# Altium PCB 28Pins_ProjectV1I1_PCB.PcbDoc (continued)
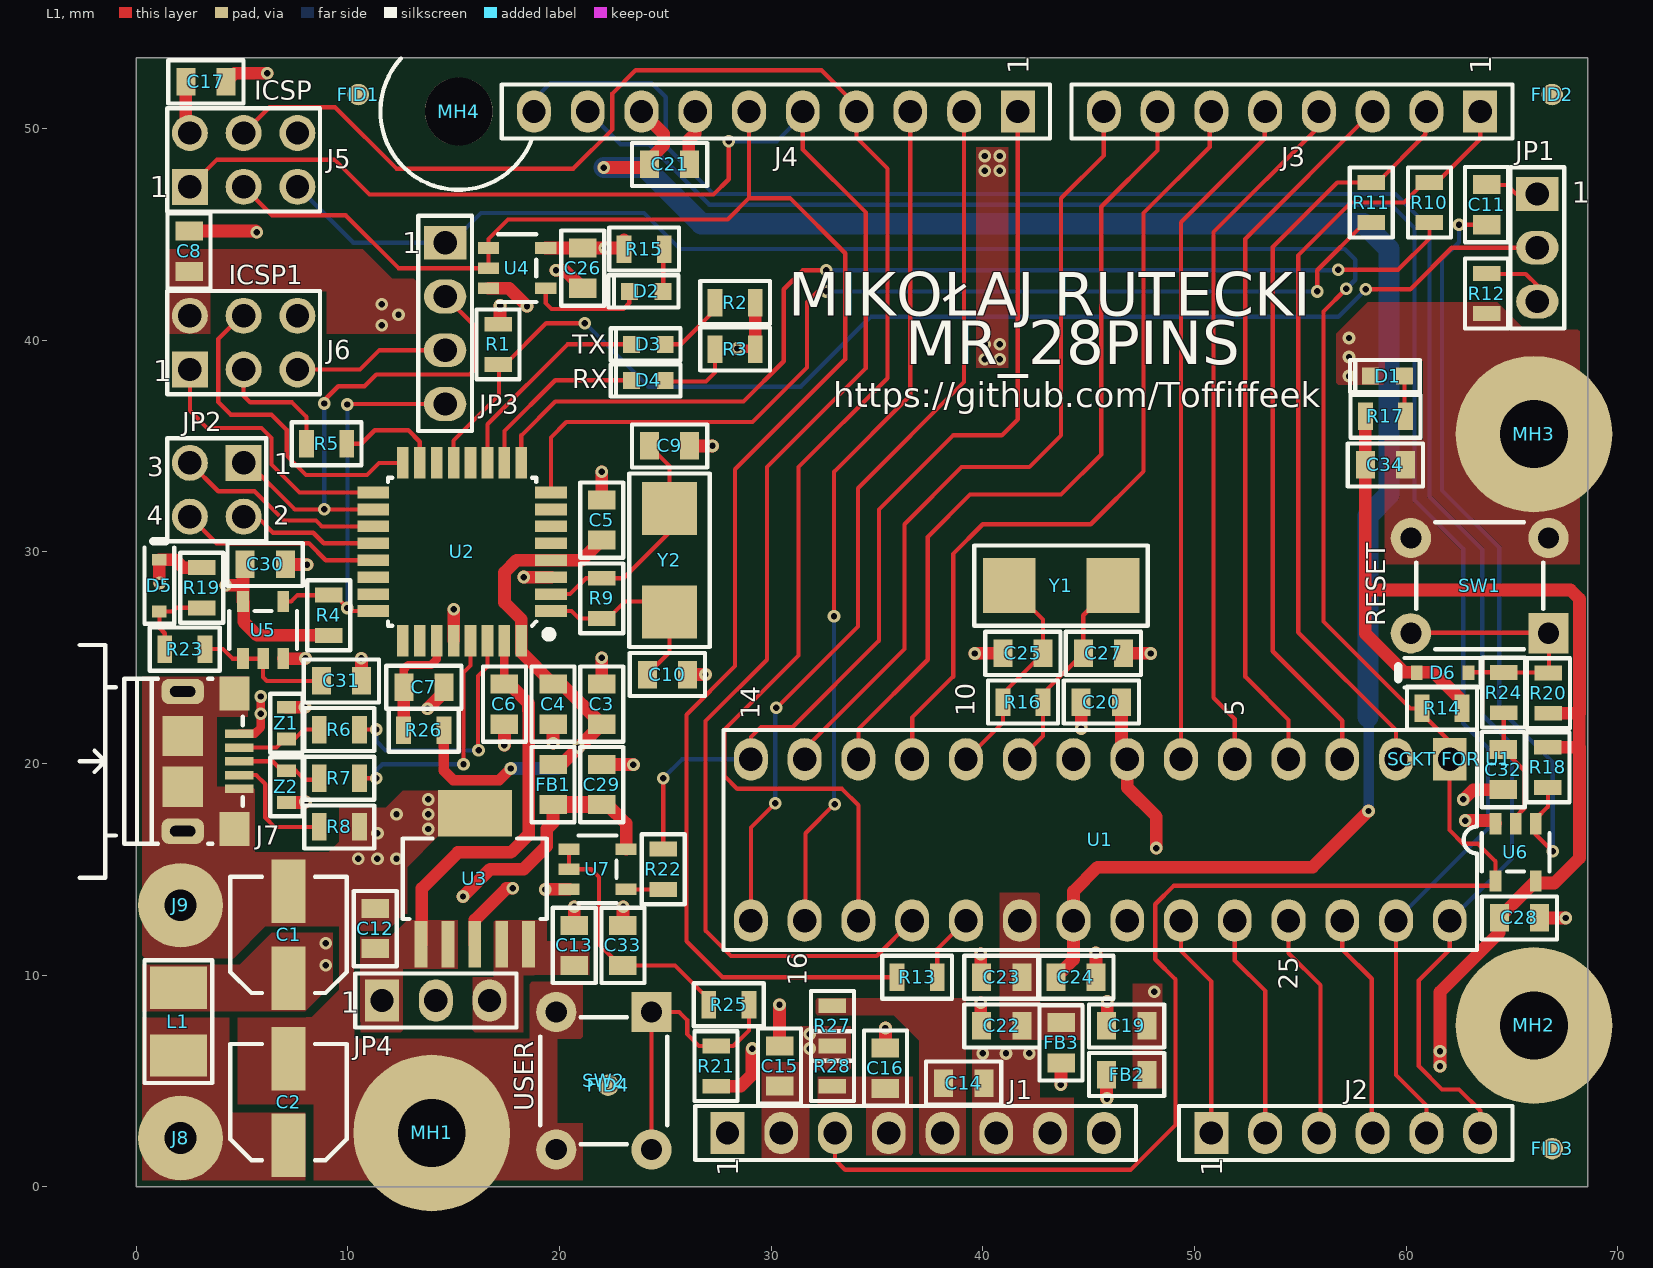
[diagram p0: L1 view]
## Nets (pads, with @x,y where several pads share a name; then routed paths per layer and width w, separated by ;. In a path a pad name is that pad's centre, name@x,y a point inside that pad or via, vN(x,y) a via of type N, cw(c..) or ccw(c..) an arc to the next point about the centre after c; other vN are vias at no path point)
16U2_16MHZ_XTAL1: C10.1 R9.1 U2.1 Y2.1 | length 9.7
  L1 w0.2: U2.1 20.575,27.2 20.925,26.85 R9.1 22.3,26.85 23.1,27.65 24.7,27.65 Y2.1 25.2,25.25 C10.1
16U2_16MHZ_XTAL2: C9.1 R9.2 U2.2 Y2.2 | length 11.3
  L1 w0.2: U2.2 20.5,28 21.25,28.75 R9.2 23.025,28.75 25.2,30.925 Y2.2 25.2,34.05 C9.1
16U2_BUF_RESETN: C31.2 R23.2 U5.1 U5.2 | length 6.6
  L1 w0.2: R23.2 4.1,25.4 4.55,24.95 U5.1 U5.2 6,24.075 6.175,23.9 C31.2
16U2_HDR_RESETN: J6.5 JP3.3 | length 7.4
  L1 w0.2: J6.5 10.583,38.608 11.5,39.525 14.595,39.525 JP3.3
16U2_MISO: J6.1 U2.17 | length 12.9
  L1 w0.2: J6.1 2.54,36.66 3.35,35.85 5.925,35.85 6.4,35.375 6.4,34.125 7.725,32.8 U2.17
16U2_MOSI: J6.4 U2.16 | length 15.7
  L1 w0.2: J6.4 4.973,41.148 3.88,40.055 3.88,37.07 4.476,36.474 6.401,36.474 7.112,35.763 7.112,34.543 8.025,33.63 10.905,33.63 11.475,34.2 U2.16
16U2_PB4: JP2.1 JP3.2 U2.18 | length 23.9
  L1 w0.2: JP2.1 5.3,34.2 7.5,32 U2.18 ; v1(8.89,37.008) 8.89,37.16 9.55,37.821 10.795,37.821 11.344,38.37 15.764,38.37 15.977,38.583 15.977,40.683 JP3.2
  L2 w0.2: v1(8.89,32.004) v1(8.89,37.008)
16U2_PB5: JP2.3 U2.19 | length 9.9
  L1 w0.2: JP2.3 3.88,32.86 5.596,32.86 6.981,31.475 8.5,31.475 8.775,31.2 U2.19
16U2_PB6: JP2.2 U2.20 | length 6.6
  L1 w0.2: JP2.2 5.703,31.66 6.463,30.9 8.368,30.9 8.868,30.4 U2.20
16U2_PB7: JP2.4 U2.21 | length 9.5
  L1 w0.2: JP2.4 3.8,30.4 8.161,30.4 8.961,29.6 U2.21
16U2_RESETN: JP3.4 R4.1 U2.24 U5.4 | length 19.1
  L1 w0.2: U5.4@6.95,27.825 U5.4 7.325,27.65 7.625,27.95 R4.1 9.375,27.95 10.125,27.2 U2.24 ; v1@9.982,36.98 JP3.4
  L2 w0.2: v1(9.982,27.343) v1(9.982,36.957)
16U2_RX_LED: D4.1 U2.10 | length 8.5
  L1 w0.2: U2.10 17.4,35.7 19.8,38.1 D4.1
16U2_RXD: R11.1 U2.8 | length 48
  L1 w0.2: U2.8 19.6,35.4 20.325,36.125 29.125,36.125 31.7,38.7 31.7,41.8 32.2,42.3 v1(32.6,42.3) ; v1(55.8,42.3) 55.8,43.3 58.05,45.55 R11.1
  L2 w0.2: v1(32.6,42.3) v1(55.8,42.3)
16U2_SCLK: J6.3 R5.2 | length 5.9
  L1 w0.2: J6.3 5.08,37.37 5.391,37.059 7.366,37.059 8.05,36.375 R5.2
16U2_SCLK_R: R5.1 U2.15 | length 4.9
  L1 w0.2: R5.1 10.64,35.1 11.278,35.738 12.862,35.738 13.4,35.2 U2.15
16U2_TX_LED: D3.1 U2.11 | length 10.2
  L1 w0.2: U2.11 16.6,36.025 20.375,39.8 D3.1
16U2_TXD: R10.1 U2.9 | length 50.8
  L1 w0.2: U2.9 18.2,35.5 19.8,37.1 28.7,37.1 30.6,39 30.6,42.4 31.5,43.3 v1(32.6,43.3) ; v1(56.8,43.325) 59.625,43.325 61.1,44.8 R10.1
  L2 w0.2: v1(32.6,43.3) 56.775,43.3 v1(56.8,43.325)
16U2PROG_328P_RESETN: JP1.2 R1.1 U2.13 | length 59.4
  L1 w0.2: U2.13 15,35.25 17.15,37.4 17.15,38.8 R1.1 17.425,38.85 19.375,40.8 v1(21.2,40.8) ; v1(58.1,42.4) 60.2,42.4 60.3,42.5 62.16,44.36 JP1.2
  L2 w0.2: v1(21.2,40.8) 24.2,37.8 31.4,37.8 34.7,41.1 56.8,41.1 v1(58.1,42.4)
328P_16MHZ_XTAL1: C27.1 R16.1 U1.9 Y1.1 | length 10
  L1 w0.2: U1.9 42.85,21.298 R16.1 42.85,23.3 C27.1 44.75,27 Y1.1
328P_16MHZ_XTAL2: C25.1 R16.2 U1.10 Y1.2 | length 10.4
  L1 w0.2: U1.10 40.95,21.938 R16.2 40.95,23.3 C25.1 42.85,26.8 Y1.2
328P_AUTORESETN: C11.1 R18.1 U6.1 | length 37.1
  L1 w0.2: v1(62.5,45.45) C11.1 ; R18.1 66.7,17.958 66.126,17.384 U6.1 66.126,16.649 v1(66.925,15.85) v1@66.95,15.875 ; R18.1@66.95,18.781 R18.1@67.031,18.862
  L2 w0.2: v1(62.5,45.45) 62.5,44.625 61.7,43.825 61.7,32.9 64.4,30.2 64.4,22.595 66.925,20.07 v1(66.925,15.85)
328P_BUF_RESETN: C32.2 R24.2 U6.2 | length 5.9
  L1 w0.2: R24.2 64.618,20.686 C32.2 65.608,19.644 65.608,17.907 65.176,17.475 U6.2
328P_RESETN: J1.3 J5.5 JP3.1 R14.1 U1.1 U6.4 | length 132.5
  L1 w0.2: J1.3 33.02,1.28 33.5,0.8 46.975,0.8 49.1,2.925 49.1,9.8 48.15,10.75 48.15,13.35 49.026,14.226 64.226,14.226 U6.4 64.226,15.374 63.4,16.2 62.7,16.2 62.05,16.85 62.05,20.178 U1.1 62.065,21.035 60.75,22.35 60.75,22.6 60.2,22.6 56.1,26.7 56.1,41.35 v1(57.175,42.425)
  L2 w0.2: J5.5 10.264,44.6 JP3.1 14.9,44.6 16.3,46 24,46 25.7,44.3 57.1,44.3 57.6,43.8 57.6,42.85 v1(57.175,42.425)
+3V3: C13.2 C16.2 J1.4 JP4.3 R28.2 U3.4 U3.5
+3V3_16U2_UCAP: C7.2 R26.1 U2.27 | length 5.5
  L1 w0.4: C7.2 12.65,24.45 12.85,24.65 13.934,24.65 14.2,24.916 U2.27
  L1 w0.6: R26.1 C7.2@12.639,23.589
+5V: C2.1 C6.2 C12.2 C14.2 J1.5 J8.1 JP4.1 L1.2 R27.1 U2.31 U3.1 U3.2 | length 18.5
  L1 w0.4: C6.2 U2.31
  L1 w0.6: U3.1@13.5,11.454 13.5,14.1 15.2,15.8 17.705,15.8 18.55,16.645 18.55,22.507 18.542,22.515 18.542,22.835 17.627,23.75 C6.2
+5V/3V3: C8.2 C15.2 C17.2 C26.2 C28.2 C29.2 C30.2 C34.2 D5.1 D6.1 FB1.1 FB2.1 FB3.1 J1.2 J5.2 J6.2 JP4.2 R1.2 R2.2 R3.2 R4.2 R14.2 R15.2 R17.2 R18.2 R19.2 R20.2 R21.2 R27.2 R28.1 U4.5 U5.5 U6.5 U7.5 | length 94.3
  L1 w0.4: v1(28.4,39.6) 29.225,39.6 R3.2
  L1 w0.6: v1(1.118,28.524) 1.1,28.542 D5.1 1.851,29.619 2.221,29.25 R19.2 ; C17.2 2.35,49.974 J5.2 ; v1(4.242,28.423) 5.05,28.423 ; U5.5 5.05,28.423 ; U5.5@5.08,27.62 5.08,26.695 5.725,26.05 R4.2 ; C30.2 5.05,29.3 5.05,28.423 ; v1(15.443,13.716) 16.727,15 18.3,15 19.4,16.1 19.4,16.9 19.7,17.2 FB1.1 ; R1.2 17.196,40.846 v1(17.196,41.631) ; U4.5 C26.2 22.147,44.35 v1(22.149,44.348) 23.002,44.348 R15.2 R15.2@23.05,44.725 ; C29.2 22.26,18.05 23.15,17.16 U7.5 ; R21.2 28.55,4.75 29.083,5.283 29.083,6.502 v1(29.108,6.528) ; R3.2 R2.2 ; v1(43.688,4.826) 43.7,4.838 FB3.1 ; FB2.1 45.85,4.188 v1(45.872,4.166) ; R17.2 C34.2 58.075,28.194 ; v1(61.6,5.7) 61.6,9.2 64.404,12.004 C28.2 64.404,12.727 U6.5 66.224,14.351 67.005,14.351 68.189,15.535 68.189,20.762 R18.2 ; R14.2@62.65,22.6 62.65,22.948 61.29,24.308 59.892,24.308 58.075,26.125 58.075,28.194 ; R20.2 68.189,22.367 68.189,27.772 67.767,28.194 58.075,28.194 ; 68.174,20.752 68.174,22.377
  L1 w0.8: FB1.1 C29.2
  other v1: 61.6,6.4 31.826,6.528 31.826,7.214 11.6,40.7 12.4,41.2 11.6,41.7
+5V/3V3_16U2: C3.2 C4.2 C5.2 FB1.2 R26.2 U2.4 U2.32 | length 26.7
  L1 w0.5: R26.2 14.539,19.665 14.99,19.214 17.157,19.214 v1(17.704,19.761)
  L1 w0.6: FB1.2 20.1,19.95 C3.2 20.1,23.75 C4.2 18.2,25.25 U2.32 18.2,26.8 17.4,27.6 17.4,29.022 17.982,29.604 19.596,29.604 U2.4 21.05,29.6 C5.2
  L2 w0.6: v1(17.704,19.761) 19.914,19.761 v1(20.904,20.752)
+5V/3V3_328P_AVCC: C22.1 C23.2 FB3.2 U1.20
+5V/3V3_328P_VCC: C19.1 C20.2 FB2.2 U1.7 | length 7.6
  L1 w0.6: C20.2 46.55,20.468 U1.7 46.825,18.859 48.2,17.484 v1(48.2,16)
  L2 w0.4: v1(48.108,9.22) v1@48.133,9.246
+5V_USB: C1.1 J7.1 L1.1 | length 2.6
  L1 w0.4: J7.1 5.6,21.4 5.9,21.7 5.893,21.707 v1(5.893,22.352) v1(5.893,23.165)
  other v1: 8.966,10.465 8.966,11.506
+AREF: C21.2 C24.2 J4.8 U1.21 | length 91
  L1 w0.6: v1(22.1,48.15) 24.1,48.15 C21.2 24.25,48.525 24.925,49.2 24.925,49.751 J4.8 ; C24.2 44.285,10.735 U1.21 44.285,13.957 45.428,15.1 55.575,15.1 v1(58.225,17.75)
  L2 w0.5: 58.2,22.2 58.235,22.165 58.235,17.76 v1(58.225,17.75)
  L2 w1: v1(22.1,48.15) 24.05,48.15 26.7,45.5 58,45.5 59.2,44.3 59.2,32.7 58.2,31.7 58.2,22.2
AD0: J2.1 U1.23 | length 10.6
  L1 w0.2: U1.23 49.365,11.135 50.8,9.7 J2.1
AD1: J2.2 U1.24 | length 10.6
  L1 w0.2: U1.24 51.905,10.695 53.35,9.25 53.35,2.55 J2.2
AD2: J2.3 U1.25 | length 10.7
  L1 w0.2: U1.25 54.445,11.03 55.95,9.525 55.95,2.61 J2.3
AD3: J2.4 U1.26 | length 10.6
  L1 w0.2: U1.26 56.985,11.215 58.375,9.825 58.375,2.585 J2.4
AD4/SDA: J2.5 J4.9 U1.27 | length 87.9
  L1 w0.2: U1.27 59.525,5.275 60.96,3.84 J2.5
  L2 w0.2: J4.9 22.886,49.25 24.228,49.25 27.078,46.4 59.293,46.4 60.4,45.293 60.4,32.437 62.7,30.137 62.7,21.893 63.871,20.722 63.871,16.919 U1.27
AD5/SCL: J2.6 J4.10 U1.28 | length 95.4
  L1 w0.2: U1.28@61.99,12.498 U1.28 62.065,11.214 60.6,9.749 60.6,5.7 61.7,4.6 62.5,4.6 63.5,3.6 J2.6
  L2 w0.2: J4.10 18.796,51.371 19.575,52.15 24.352,52.15 25.026,51.476 25.026,49.159 27.285,46.9 59.5,46.9 61.1,45.3 61.1,32.6 63.6,30.1 63.6,22.3 65,20.9 65,15.508 U1.28
BUTTON_RESETN: D6.2 R20.1 R24.1 SW1.1 SW1.2 | length 12.2
  L1 w0.2: SW1.2@60.402,26.173 66.699,26.173 66.751,26.121 66.751,24.293 64.795,24.293 64.75,24.338 R24.1@64.75,24.4 ; D6.2@62.941,24.308 64.525,24.308 64.618,24.4 R24.1@64.75,24.4 ; R24.1@64.8,24.35 R24.1@64.75,24.4
CON_USB_N: J7.2 R6.1 Z1.2 | length 4.1
  L1 w0.2: J7.2 6.628,20.75 7.028,21.15 7.475,21.15 7.925,21.6 R6.1
CON_USB_P: J7.3 R7.1 Z2.2 | length 4.2
  L1 w0.2: J7.3 6.45,20.1 6.9,19.65 7.552,19.65 7.977,19.225 8.575,19.225 R7.1
GND: C1.2 C2.2 C3.1 C4.1 C5.1 C6.1 C7.1 C8.1 C9.2 C10.2 C12.1 C13.1 C14.1 C15.1 C16.1 C17.1 C19.2 C20.1 C21.1 C22.2 C23.1 C24.1 C25.2 C26.1 C27.2 C28.1 C29.1 C30.1 C31.1 C32.1 C33.1 C34.1 D1.1 J1.6 J1.7 J4.7 J5.6 J6.6 J7.5 J7.6 J7.7 J7.8 J7.9 J7.10 J7.11 J9.1 MH1.1 MH2.1 MH3.1 R8.2 R12.1 SW1.3 SW1.4 SW2.3 SW2.4 U1.8 U1.22 U2.3 U2.28 U3.3 U3.6 U4.3 U5.3 U6.3 U7.3 Z1.1 Z2.1 | length 51.6
  L1 w0.6: C8.1 5.65,45.15 v1(5.7,45.1) ; C17.1 4.653,52.603 v1(6.198,52.603) ; U5.3 7.983,24.95 v1(8.001,24.968) ; C30.1 8.065,29.4 v1(8.077,29.388) ; Z2.1 7.965,18.15 v1(8.001,18.186) ; Z1.1 7.969,22.65 v1(7.976,22.657) ; v1(10.643,24.968) 10.65,24.961 C31.1 ; v1(13.767,22.581) 14.55,23.364 C7.1 ; U2.28 15,27.268 v1(15.011,27.28) ; U3.3 16.002,12.602 17.5,14.1 v1(17.8,14.1) ; U4.3 17.621,42.45 v1(18.466,41.605) ; v1(17.399,20.853) v1(17.399,20.853) C6.1 ; v1(18.313,28.804) 18.317,28.8 U2.3 ; v1(19.329,14.046) 19.333,14.05 U7.3 ; C4.1 19.7,20.965 v1(19.71,20.955) ; v1(19.837,43.307) 20.243,43.307 C26.1 ; C13.1 20.701,12.351 v1(20.701,13.233) v1(20.701,13.233) ; v1(21.996,24.994) 22,24.99 C3.1 ; v1(21.996,33.782) 22,33.778 C5.1 ; C29.1 23.484,19.95 v1(23.495,19.939) ; C33.1 23,13.221 v1(23.012,13.233) ; C10.2 v1(26.9,24.2) ; C9.2 v1(27.229,35.001) v1(27.229,35.001) ; C21.1 26.111,48.339 26.111,49.454 26.416,49.759 J4.7 ; C15.1 v1(30.4,8.6) ; C16.1 v1(35.4,7.5) ; v1(39.624,25.197) 39.627,25.2 C25.2 ; v1(39.9,8.7) 39.9,7.65 C22.2 ; v1(39.9,11) 39.9,9.95 C23.1 ; v1(44.65,21.65) C20.1 ; v1(45.339,11.049) 45.35,11.038 C24.1 ; C19.2@45.85,7.852 C19.2 45.875,7.625 v1(45.875,8.75) ; C27.2 47.927,25.2 v1(47.93,25.197) ; v1(62.7,18.3) 62.72,18.3 63.18,18.76 C32.1 ; v1(62.8,17.3) 64.075,17.3 U6.3 ; C28.1 v1(67.539,12.7)
  other v1: 40,6.3 41.1,6.3 42.2,6.3 10.5,15.5 11.4,15.5 12.3,15.5 11.4,16.7 13.8,16.9 12.3,17.6 13.8,17.6 13.8,18.3 57.3,38.3 40.1,39.1 40.8,39.1 57.3,39.2 40.1,39.8 40.8,39.8 57.3,40.1 40.1,48 40.8,48 40.1,48.7 40.8,48.7
IO0: J3.1 R10.2 U1.2 | length 37.9
  L1 w0.2: U1.2 59.525,21.575 54.9,26.2 54.9,44 57.4,46.5 59.9,46.5 60.85,47.45 R10.2 61.45,47.45 63.5,49.5 J3.1
IO1: J3.2 R11.2 U1.3 | length 36.1
  L1 w0.2: U1.3 56.985,22.015 53.7,25.3 53.7,44.4 56.75,47.45 R11.2 58.65,47.45 60.9,49.7 60.9,50.8 J3.2
IO2: J3.3 U1.4 | length 33.9
  L1 w0.2: U1.4 54.445,22.055 52.4,24.1 52.4,44.78 J3.3
IO3: J3.4 U1.5 | length 33.1
  L1 w0.2: U1.5 51.905,22.095 50.9,23.1 50.9,45.1 55.85,50.05 55.85,50.77 J3.4
IO4: J3.5 U1.6 | length 32.3
  L1 w0.2: U1.6 49.365,45.565 53.325,49.525 53.325,50.785 J3.5
IO5: J3.6 U1.11 | length 39.4
  L1 w0.2: U1.11 36.665,22.165 38.6,24.1 38.6,29.9 40,31.3 45.1,31.3 47.6,33.8 47.6,46 50.725,49.125 50.725,50.725 J3.6
IO6: J3.7 U1.12 | length 39
  L1 w0.2: U1.12 34.125,21.625 37.4,24.9 37.4,30.7 39.4,32.7 43.7,32.7 45.6,34.6 45.6,46.3 48.26,48.96 J3.7
IO7: J3.8 U1.13 | length 38.3
  L1 w0.2: U1.13 31.585,20.685 36.3,25.4 36.3,31.3 39,34 42.2,34 43.7,35.5 43.7,46.7 45.72,48.72 J3.8
IO8: J4.1 R22.2 U1.14 | length 45.9
  L1 w0.2: R22.2 v1(24.9,19.3) ; U1.14 29.045,21.245 29.525,21.725 31.025,21.725 35.1,25.8 35.1,32 38.6,35.5 40.9,35.5 41.656,36.256 J4.1
  L2 w0.2: v1(24.9,19.3) 25.793,20.193 U1.14
IO9: J4.2 U1.15 | length 42.4
  L1 w0.2: U1.15 29.045,16.97 v1(30.2,18.125) ; v1(30.25,22.625) 34.1,26.475 34.1,33 39.116,38.016 J4.2
  L2 w0.2: v1(30.2,18.125) 30.195,18.13 30.195,22.57 v1(30.25,22.625)
MISO: J4.5 J5.1 U1.18 | length 87
  L1 w0.2: J5.1 3.821,48.525 9.375,48.525 11.025,46.875 27.275,46.875 28,47.6 v1(28,49.4) ; J4.5 31.496,49.004 34.475,46.025 34.475,38.675 29.8,34 29.8,24.9 26.9,22 26.9,12.1 28.1,10.9 34.992,10.9 U1.18
  L2 w0.2: v1(28,49.4) 30.275,49.4 31.496,50.621 J4.5
MOSI: J4.4 J5.4 U1.17 | length 82.1
  L1 w0.2: J5.4 6.296,51 9.4,51 12.3,48.1 20.65,48.1 22.5,49.95 22.5,51.65 23.6,52.75 ; 23.65,52.75 32.375,52.75 34.036,51.089 J4.4 34.036,49.564 35.5,48.1 35.5,38.2 31.3,34 31.3,25.1 27.8,21.6 27.8,19.4 28.4,18.8 33.35,18.8 34.125,18.025 U1.17
NetC11_2: C11.2 JP1.1 | length 2.6
  L1 w0.2: C11.2 63.825,47.325 64.775,47.325 65.2,46.9 JP1.1
NetD1_2: D1.2 R17.1 | length 1.9
  L1 w0.2: D1.2 59.925,36.45 R17.1
NetD2_1: D2.1 U4.4 | length 5.4
  L1 w0.2: U4.4 19.35,41.75 19.625,41.475 23.025,41.475 23.3,41.75 D2.1
NetD2_2: D2.2 R15.1 | length 2
  L1 w0.2: D2.2 24.9,44.25 R15.1
NetD3_2: D3.2 R2.1 | length 3.4
  L1 w0.2: D3.2 25.728,39.8 27.3,41.372 27.3,41.725 R2.1
NetD4_2: D4.2 R3.1 | length 3.6
  L1 w0.2: D4.2 25.05,38.05 26.925,38.05 27.35,38.475 R3.1
NetD5_2: D5.2 R19.1 R23.1 | length 4
  L1 w0.2: R23.1 1.35,26.15 1.1,26.4 D5.2 1.706,27.181 1.875,27.35 R19.1
NetJ7_4: J7.4 R8.1 | length 6.1
  L1 w0.2: J7.4 5.671,19.45 6.1,19.021 6.1,17.446 6.546,17 R8.1 R8.1@8.65,17.41
NetJP1_3: JP1.3 R12.2 | length 3.4
  L1 w0.2: R12.2 63.825,43.125 65.65,43.125 66.2,42.575 JP1.3
NetR22_1: R22.1 U7.4 | length 1.8
  L1 w0.2: U7.4 R22.1
SCK: J4.6 J5.3 R13.2 U4.1 U4.2 | length 83.4
  L1 w0.2: J5.3 6.424,45.9 9.9,45.9 12.4,43.4 U4.2 U4.1 16.65,44.775 17.575,45.7 27.95,45.7 28.956,46.706 ; J4.6@28.956,50.575 28.956,46.706 ; R13.2 27.7,9.9 26,11.6 26,22.3 28.3,24.6 28.3,33.9 33.5,39.1 33.5,44.1 30.894,46.706 28.956,46.706
SCK_R: R13.1 U1.19 | length 3.2
  L1 w0.2: R13.1 37.85,11.223 37.846,11.227 37.859,11.227 U1.19
SS: J4.3 U1.16 | length 40.3
  L1 w0.2: U1.16 31.625,12.613 31.625,16.7 v1(33,18.075) ; v1(32.975,26.95) 32.975,33.775 36.576,37.376 J4.3
  L2 w0.2: v1(32.975,26.95) 32.975,18.1 v1(33,18.075)
USB_N: R6.2 U2.30 | length 11.7
  L1 w0.2: R6.2 v1(11.35,21.6) ; v1(16.18,20.625) 16.15,20.655 16.15,24.125 16.6,24.575 U2.30
  L2 w0.2: v1(11.35,21.6) 11.35,21.05 11.786,20.614 16.169,20.614 v1(16.18,20.625)
USB_P: R7.2 U2.29 | length 11.4
  L1 w0.2: R7.2 v1(11.35,19.3) ; v1(15.469,19.964) 15.469,24.294 15.8,24.625 U2.29
  L2 w0.2: v1(11.35,19.3) 11.35,19.681 11.633,19.964 v1(15.469,19.964)
USER_BUTTON: R21.1 R25.1 SW2.1 SW2.2 | length 13.7
  L1 w0.2: SW2.2 SW2.1 25.655,8.254 26.035,7.874 26.035,7.214 26.599,6.65 R21.1 28.215,6.65 28.95,7.385 R25.1
USER_BUTTON_BUF: C33.2 R25.2 U7.1 U7.2 | length 12.2
  L1 w0.2: U7.1 U7.2 21.5,15 21.869,14.63 21.869,11.455 22.875,10.45 C33.2 25.466,10.45 27.05,8.866 R25.2
pads on no net: FID1.1 FID2.1 FID3.1 FID4.1 J1.1 J1.8 MH4.1 U2.5 U2.6 U2.7 U2.12 U2.14 U2.22 U2.23 U2.25 U2.26

## Polygon pours and split planes (outlines as drawn)
+5V on L2 "L2-No Net" (solid, remove dead copper, pour order 40): 0.3,0.3 0.3,5.3 6.236,5.3 10.836,9.8 12.4,9.8 12.4,7 21.5,7 25.1,3.6 26.8,3.6 26.8,1.2 37,1.2 37,4.6 39.2,4.6 39.2,0.3 0.6,0.3
+5V/3V3_328P_VCC on L2 "L2-No Net" (solid, remove dead copper, pour order 39): 47.7,8.8 50.8,8.8 50.8,16.4 47.7,16.4
GND on L2 "L2-No Net" (solid, remove dead copper, pour order 47): 4.2,53 4.2,45.1 4.2,43.5 5.1,42.6 5.1,24 7.5,24 7.5,17.8 9.8,15.5 9.8,14.9 16.9,14.9 16.9,12.5 25.5,12.5 30.151,7.849 33.851,7.849 35.7,6 43.479,6 44.5,7.1 62.4,7.1 62.4,0.3 68.2,0.3 68.2,14.8 65.8,14.8 65.2,14.8 63.7,13.3 63.2,12.8 63.2,11.9 62.5,11.2 58.3,11.2 58.3,13.9 60,13.9 63.4,17.298 63.4,18.8 60.6,18.8 58.9,18.8 58.9,17.1 58,17.1 56.3,18.8 55.9,19.2 55.9,23.3 55.9,32.4 58.3,34.8 58.3,40.6 35,40.6 31.7,37.3 23.7,37.3 20.5,40.5 20.5,43.7 18.1,43.7 18.1,38 10.1,38 10.1,43.6 9.6,43.6 6.4,46.8 6.4,48.4 9,48.4 9,53 6.6,53
+3V3 on L2 "L2-No Net" (solid, remove dead copper, pour order 42): 15.7,7.3 21.776,7.3 25.376,3.9 34.5,3.9 34.5,1.5 36.7,1.5 36.7,4.6 34.1,4.6 33.4,5.3 32.85,5.9 28.1,5.9 28.1,7.699 25.4,10.4 15.7,10.4
GND on L2 "L2-No Net" (solid, remove dead copper, pour order 46): 68.2,53 68.2,47.3 27.8,47.3 27.6,47.3 25.6,49.3 25.6,53
+5V/3V3 on L2 "L2-No Net" (solid, remove dead copper, pour order 43): 16.1,44.8 16.1,43.5 10.4,43.5 10.4,38.3 11.8,38.3 17.8,38.3 17.8,44 20.8,44 20.8,42.4 20.8,42.1 24.6,38.3 31.3,38.3 31.3,43.4 25.9,43.4 23.9,45.4 16.7,45.4
+5V/3V3 on L2 "L2-No Net" (solid, remove dead copper, pour order 41): 0.3,5.6 6.2,5.6 10.5,9.9 10.5,10.1 12.8,10.1 12.8,7.3 15.4,7.3 15.4,10.3 15.4,10.7 25.5,10.7 28.4,7.8 28.4,6.2 30.7,6.2 33,6.2 34.3,4.9 39.5,4.9 39.5,0.3 62.1,0.3 62.1,6.8 61.5,6.8 61,6.8 44.8,6.8 44.7,6.8 43.673,5.7 35.5,5.7 33.6,7.6 30,7.6 29.2,8.4 25.4,12.2 16.6,12.2 16.6,14.6 14.8,14.6 9.8,14.6 9.8,10.538 9.8,9.8 9,9.8 8.9,9.8 7.8,9.8 4.8,9.8 4.8,28.4 4.8,42.4 3.9,43.3 3.9,53 0.3,53 0.3,25 0.3,5.8
+5V_USB on L2 "L2-No Net" (solid, remove dead copper, pour order 44): 5.1,23.7 5.1,10.1 9.5,10.1 9.5,15.3 7.2,17.6 7.2,23.7
+5V on L1 "L2-No Net" (solid, remove dead copper, pour order 45): 0.3,8 4.4,8 4.4,3.5 8,3.5 8,0.3 0.3,0.3
+5V_USB on L1 "L2-No Net" (solid, remove dead copper, pour order 48): 0.3,10.4 0.3,8.4 0.3,8.3 8,8.3 9.4,9.7 9.4,12 6.4,12 4.9,10.5 0.3,10.5 0.3,10.4
+3V3 on L1 "L2-No Net" (solid, remove dead copper, pour order 49): 15.9,7.3 15.9,9.9 16.9,9.9 16.9,12.6 19.4,12.6 19.4,11.6 21.4,11.6 21.4,10 18.3,10 18.3,7.3
+5V on L1 "L2-No Net" (solid, remove dead copper, pour order 50): 10.6,7.3 12.6,7.3 12.6,10.3 15.2,10.3 15.2,12.6 12.8,12.6 12,11.8 10.6,11.8
+5V/3V3 on L1 "L2-No Net" (solid, remove dead copper, pour order 51): 3.5,40.3 3.5,42.3 9,42.3 9,40.3 13.2,40.3 13.2,42.9 12.1,42.9 10.7,44.3 1.5,44.3 1.5,40.3
+5V/3V3 on L1 "L2-No Net" (solid, remove dead copper, pour order 52): 29.54,1.372 31.8,1.372 31.8,5.5 33.757,5.5 33.757,7.569 33.782,7.595 31.369,7.595 31.369,6.452 31.369,5.893 30.81,5.893 29.566,5.893 29.566,1.372
+3V3 on L1 "L2-No Net" (solid, remove dead copper, pour order 53): 34.5,1.5 36.7,1.5 36.7,5.2 32.2,5.2 32.2,3.9 34.5,3.9
+5V on L1 "L2-No Net" (solid, remove dead copper, pour order 54): 37,1.5 39.2,1.5 39.2,8.9 36.6,8.9 36.4,8.9 32.1,8.9 32.1,8.1 35.8,8.1 37,6.9
GND on L1 "L2-No Net" (solid, remove dead copper, pour order 55): 39.5,1.5 39.5,6.6 42.7,6.6 42.7,4.2 44.3,4.2 44.3,1.5
+5V/3V3_328P_AVCC on L1 "L2-No Net" (solid, remove dead copper, pour order 56): 40.8,13.9 42.7,13.9 42.7,8.7 44.8,8.7 44.8,6.95 40.8,6.95
+5V/3V3_328P_VCC on L1 "L2-No Net" (solid, remove dead copper, pour order 57): 47.3,4.65 48.2,4.65 48.475,4.65 48.475,4.925 48.475,9.6 47.075,9.6 47.075,4.65
GND on L1 "L2-No Net" (solid, remove dead copper, pour order 58): 59,37.9 56.7,37.9 56.7,40.3 58.2,41.8 64.3,41.8 65.6,40.5 68.2,40.5 68.2,29.4 59,29.4 59,35.3 60.8,35.3 60.8,39 59,39
GND on L1 "L2-No Net" (solid, remove dead copper, pour order 59): 39.7,38.7 41.2,38.7 41.2,49.1 39.7,49.1
GND on L1 "L2-No Net" (solid, remove dead copper, pour order 60): 8.4,0.3 21.1,0.3 21.1,3 19.9,3 19.9,7 21.1,7 21.1,9.7 18.6,9.7 18.6,7 10.3,7 10.3,12.1 12,12.1 12.8,12.9 12.8,15.1 14.3,16.6 17.7,16.6 17.7,18.7 12.6,18.7 12,18.1 11.8,17.9 9.6,17.9 9.6,16.3 9.2,15.9 9.1,15.8 5.6,15.8 5.6,18.9 3.8,18.9 3.8,22.2 5.3,22.2 5.3,24.1 0.3,24.1 0.3,10.8 4.6,10.8 6.1,12.3 9.6,12.3 9.6,9.3 8.3,8 4.8,8 4.8,3.9 8.4,3.9

## Silkscreen, mask and mechanical layers (free items; w line width, h text height)
Top Overlay:
  text "ICSP" at 5.588,51.359 h0.9
  text "ICSP1" at 4.369,42.647 h0.9
  text "MIKOŁAJ RUTECKI" at 30.81,40.462 h3.5
  text "TX" at 20.599,39.345 h0.9
  text "MR_28PINS" at 36.347,38.176 h3.5
  text "RX" at 20.599,37.719 h0.9
  text "https://github.com/Toffiffeek" at 32.944,36.424 h2
  text "3" at 0.533,33.579 h0.9
  text "4" at 0.508,31.267 h0.9
  text "2" at 6.477,31.267 h0.9
  text "RESET" at 59.004,26.492 h0.9 r90
  text "10" at 39.624,22.225 h0.9 r90
  text "5" at 52.324,22.225 h0.9 r90
  text "14" at 29.464,22.098 h0.9 r90
  text "16" at 31.674,9.5 h0.9 r90
  text "25" at 54.889,9.296 h0.9 r90
  text "USER" at 18.771,3.556 h0.9 r90
Bottom Overlay:
  lines w0.2: 11.8,13.8 11.8,14.6 ; 14.1,10 14.1,14.6 ; 16.18,36.906 16.739,36.906 16.739,39.446 16.18,39.446 ; 16.6,13.8 16.6,14.6 ; 16.8,18.1 16.8,31.9 16.8,33.9 ; 19,18.1 19,31.9 19,33.9 ; 65.634,13.945 67.615,13.945 ; 65.634,15.57 67.615,15.57 ; 65.634,17.45 67.615,17.45 ; 65.634,19.202 67.615,19.202 ; 65.634,20.98 67.615,20.98 ; 67.615,44.348 68.174,44.348 68.174,46.888 67.615,46.888 ; 14.4,31.9 14.4,33.9 21.2,33.9 21.2,31.9 ; 14.4,31.9 14.4,18.1 21.2,18.1 21.2,31.9 ; 14.4,31.9 21.2,31.9 ; 65.634,12.319 65.634,22.809 67.615,22.809 67.615,12.319 67.183,12.319 65.634,12.319
  lines w0.5: 12.4,14.6 13.4,14.6 ; 14.8,14.6 15.8,14.6
  text "AR/DF" at 66.7,52.4 h1.5 r90
  text "0 RX (IN)" at 64.084,49.225 h2.2 r90
  text "AD5/SCL" at 19.4,49.2 h2.2 r90
  text "AD4/SDA" at 21.9,49.2 h2.2 r90
  text "AREF" at 24.5,49.2 h2.2 r90
  text "GND" at 27,49.2 h2.2 r90
  text "13" at 29.6,49.2 h2.2 r90
  text "12" at 32,49.2 h2.2 r90
  text "11~" at 34.5,49.2 h2.2 r90
  text "10~" at 37.1,49.2 h2.2 r90
  text "9~" at 39.7,49.2 h2.2 r90
  text "8" at 42.4,49.2 h2.2 r90
  text "7" at 46.3,49.2 h2.2 r90
  text "6~" at 48.8,49.2 h2.2 r90
  text "5~" at 51.4,49.2 h2.2 r90
  text "4" at 53.9,49.2 h2.2 r90
  text "3~" at 56.4,49.2 h2.2 r90
  text "2" at 59,49.2 h2.2 r90
  text "1 TX (OUT)" at 61.5,49.2 h2.2 r90
  text "dW/PROG/ISP" at 12.979,46.711 h2 r90
  text "(c) 2015 FEDAVEL ACADEMY" at 42,43.5 h1.5 r90
  text "http://www.fedevel.com" at 43.7,43.5 h1.5 r90
  text "(c) 2026 MIKOŁAJ RUTECKI" at 45.6,43.5 h1.5 r90
  text "https://github.com/Toffiffeek" at 47.3,43.5 h1.5 r90
  text "BOARD VARIANT" at 14,34 h2 r90
  text "5V / 3V3" at 18.476,31.418 h2 r90
  text "FIXED 5V" at 16.2,31.4 h2 r90
  text "CUSTOM" at 20.7,31.4 h2 r90
  text "MODBOX" at 64.668,22.835 h1.5 r90
  text "A B C D E F" at 67.208,22.504 h2 r90
  text "+5V INPUT POWER" at 6.452,17.399 h2 r90
  text "IO" at 14.7,16.8 h2 r90
  text "(OPTIONAL)" at 8.661,14.249 h2 r90
  text "5V" at 12.3,13.4 h2 r90
  text "3V3" at 17.2,13.4 h2 r90
  text "+3V3/5V" at 31.1,10.7 h2 r90
  text "-" at 3,10.6 h4 r90
  text "RESET" at 33.7,9.7 h2 r90
  text "+3V3" at 36.2,8.1 h2 r90
  text "GND" at 41.4,7.8 h2 r90
  text "GND" at 43.8,7.8 h2 r90
  text "+5V" at 38.7,7 h2 r90
  text "+" at 3.3,6.8 h4 r90
  text "NC" at 46.38,6.452 h2 r90
  text "A0" at 51.5,6.4 h2 r90
  text "A1" at 54,6.4 h2 r90
  text "A2" at 56.5,6.4 h2 r90
  text "A3" at 59.1,6.4 h2 r90
  text "A4" at 61.5,6.4 h2 r90
  text "NC" at 28.6,6.2 h2 r90
  text "A5" at 66.4,3.6 h2.2 r90
Mechanical Drawing:
  circle w1.016: c66.04,35.56 r1.6
  circle w1.016: c66.04,7.62 r1.6
  circle w1.016: c13.97,2.54 r1.6
  circle w1.016: c15.24,50.8 r1.6
  lines w1.016: 0,0 68.58,0 68.58,53.34 0,53.34 0,0
  text "Mechanical Drawing" at 6,67 h3.5
  text "of MR_28PINS" at 15,61 h3.5
  text "Units: mils" at -45,-24 h3.5
  text "Scale: 1:1" at -43,-30 h3.5
Board Outline:
  the board outline again, w0.3
ASM Top:
  text "Assemply TOP of MR_28PINS" at 11,57 h2

## Dimensions
0,0 to 15.24,50.8 on Mechanical Drawing
0,0 to 66.04,7.62 on Mechanical Drawing
0,0 to 63.5,50.8 on Mechanical Drawing
0,0 to 41.656,50.8 on Mechanical Drawing
0,0 to 50.8,2.54 on Mechanical Drawing
0,0 to 27.94,2.54 on Mechanical Drawing
0,0 to 13.97,2.54 on Mechanical Drawing
0,0 to 2.54,47.244 on Mechanical Drawing
0,0 to 2.1,2.3 on Mechanical Drawing
0,0 to 63.5,50.8 on Mechanical Drawing
0,0 to 66.04,35.56 on Mechanical Drawing
0,0 to 66.04,7.62 on Mechanical Drawing
0,0 to 2.54,47.244 on Mechanical Drawing
0,0 to 2.54,38.608 on Mechanical Drawing
0,0 to 2.1,13.3 on Mechanical Drawing
0,0 to 2.2,23.4 on Mechanical Drawing
13.97,2.54 to 0,0 on Mechanical Drawing
0,0 to 68.58,0 on Mechanical Drawing
0,53.34 to 0,0 on Mechanical Drawing

## Text inside footprints (layer, text, board x,y; h text height)
J1: Top Overlay "1" at 28.448,0.508 h1 r90
J2: Top Overlay "1" at 51.308,0.508 h1 r90
J3: Top Overlay "1" at 64.033,52.553 h1 r90
J4: Top Overlay "1" at 42.164,52.553 h1 r90
J5: Top Overlay "1" at 0.65,46.75 h1
J6: Top Overlay "1" at 0.813,38.049 h1
JP1: Top Overlay "1" at 67.825,46.5 h1
JP2: Top Overlay "1" at 6.502,33.655 h1
JP3: Top Overlay "1" at 12.568,44.092 h1
JP4: Top Overlay "1" at 9.677,8.23 h1